# KiCad board FrontEnd_5G.kicad_pcb (continued)
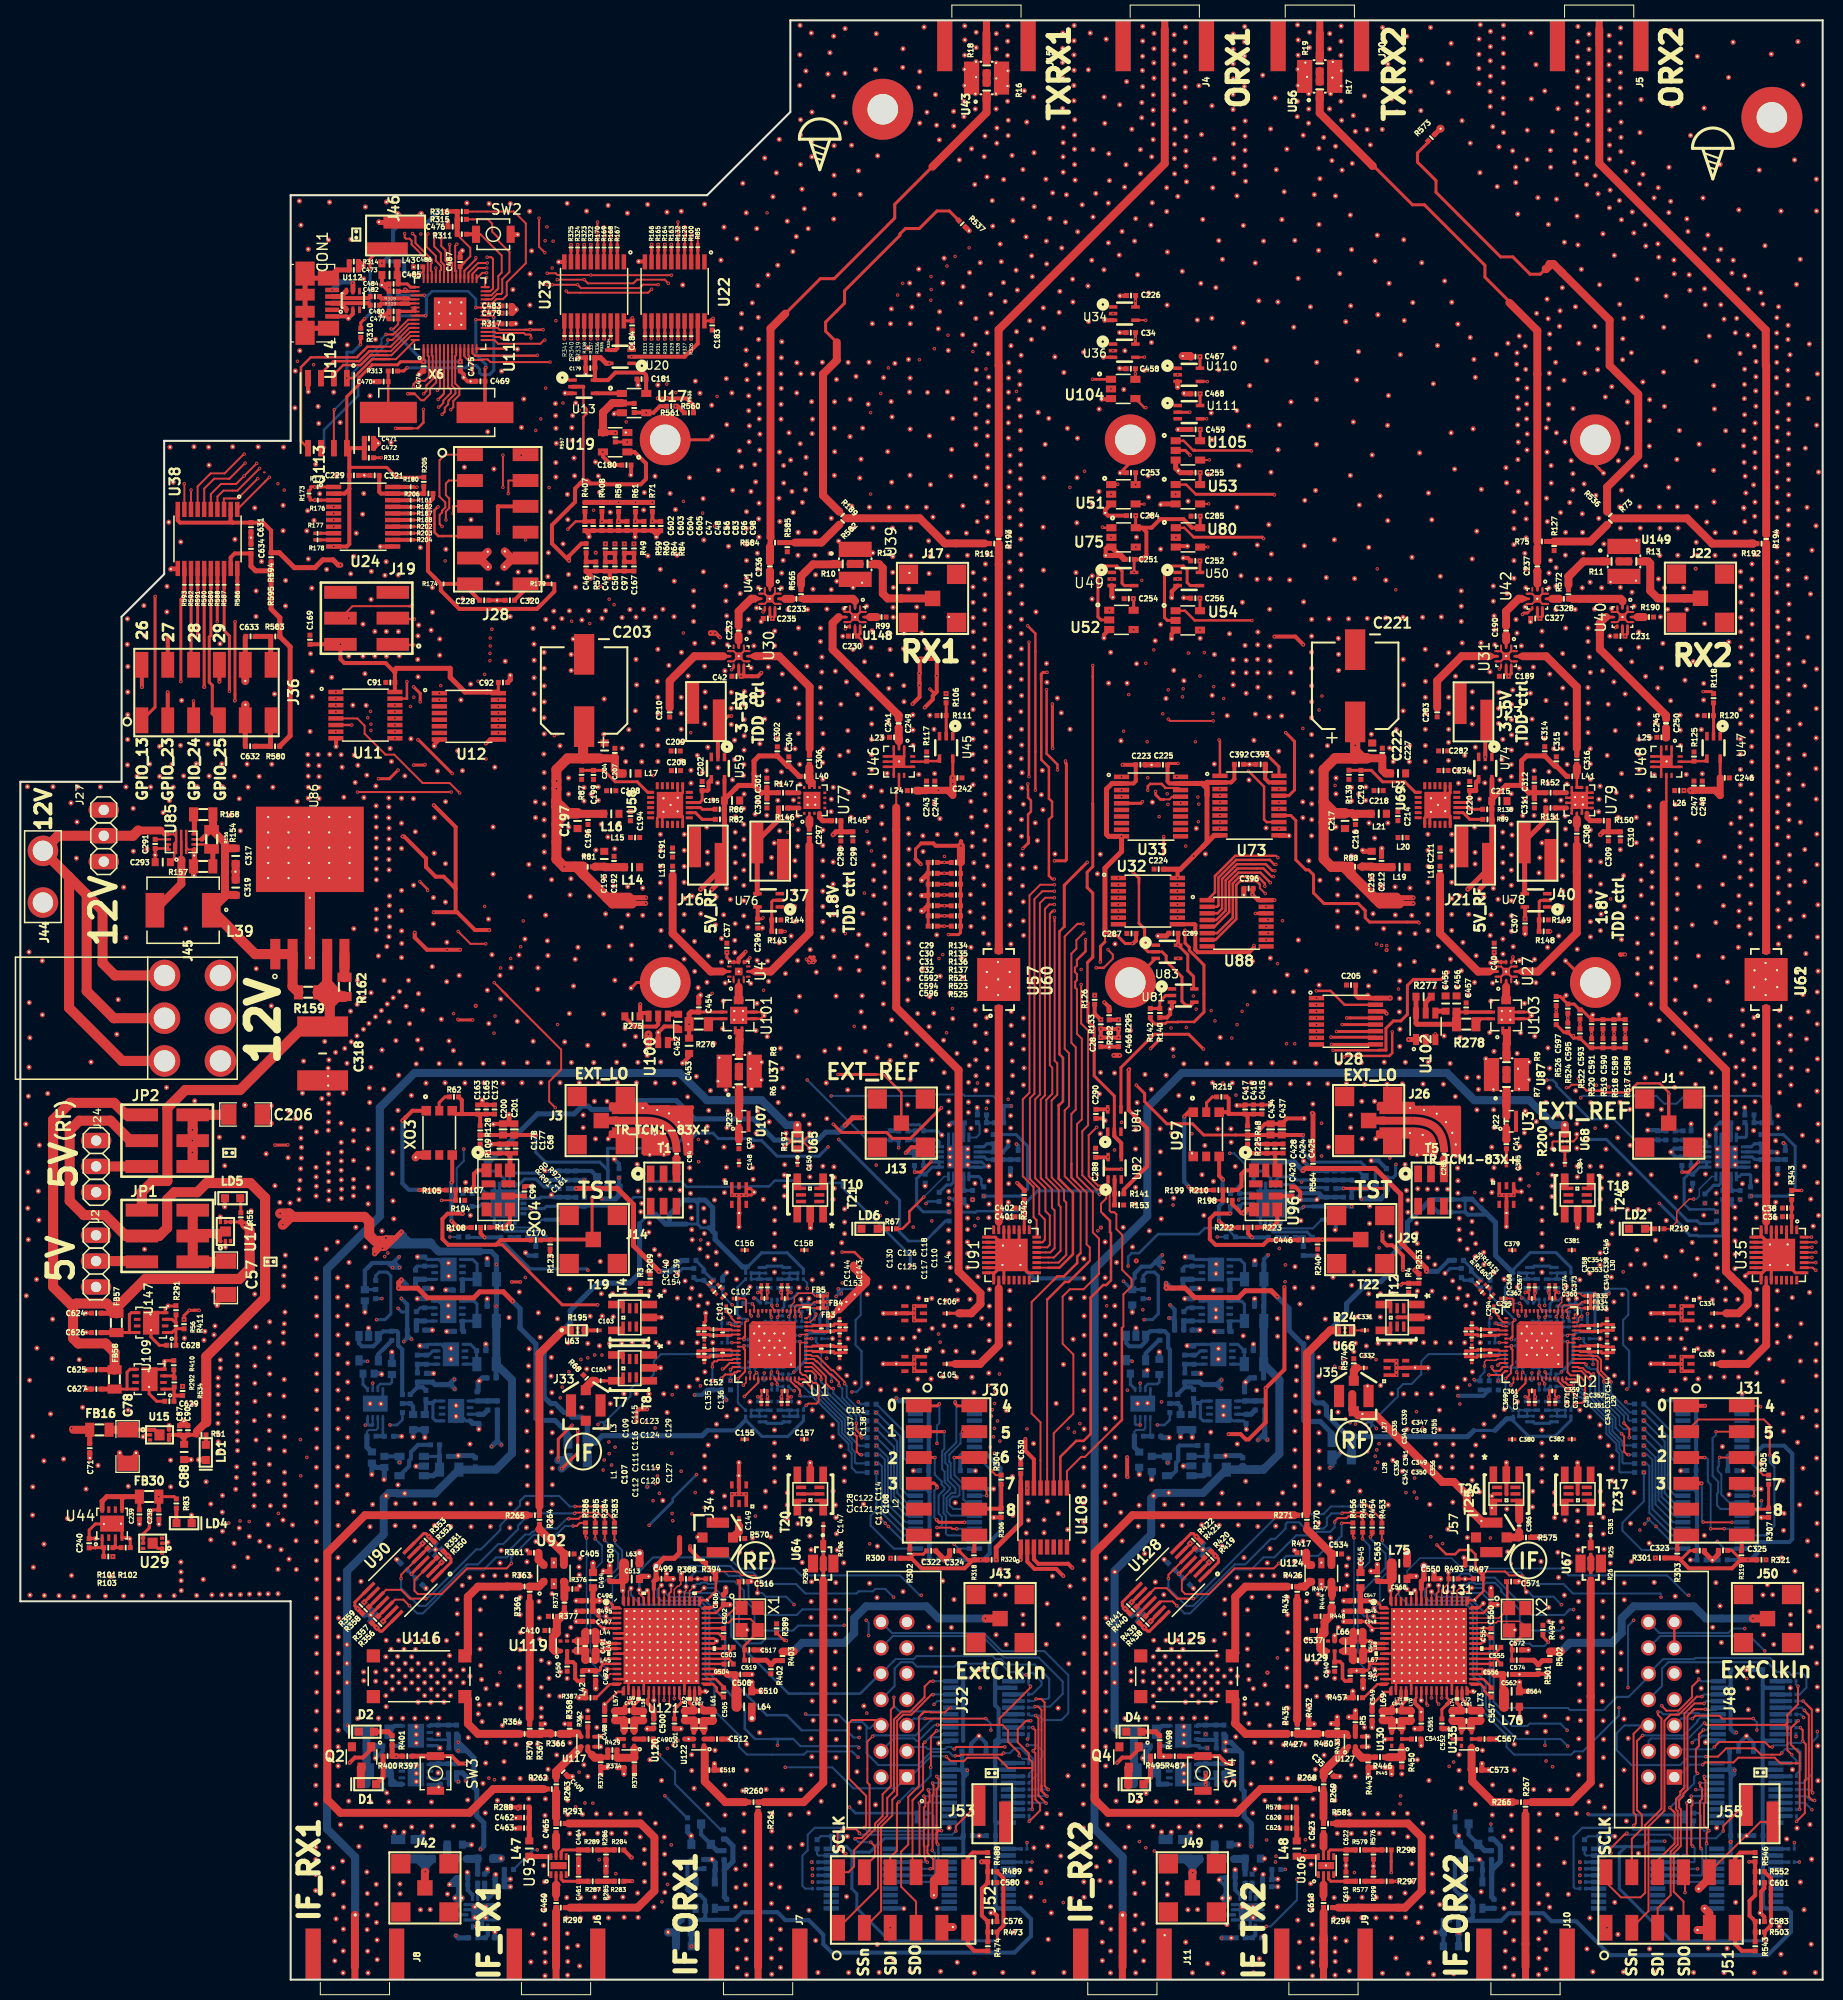
[diagram p0: board, top side]
## Routing (per net, layer and track width the routed paths; a pad name or vN(x,y) marks a point on that pad's centre or on a via; arc(x,y) is an arc through that point) (continued)
/SC1905_2/WDTEN_EXT: length 24.2
  F.RO w0.2: v2(159.47,24.01) 158.92,23.46 158.92,16.67 159.4,16.19 159.4,14.83 158.41,13.84 J51.8 158.41,12.01 ; 158.4,12.01 158.41,12.01 ; 158.4,12.01 158.41,12.01 ; 158.4,12.01 158.41,12.01
  B2.RO w0.2: v2(159.47,24.01) 159.47,24 163.52,24 164.86,25.35 164.86,25.49 165.14,25.77 165.79,25.77 166.13,25.43 U136.14
DATA_OUT_EN: length 237.3
  F.RO w0.2: 104.97,70.49 105.13,70.65 105.13,71.96 104.81,72.28 104.81,77.36 103.71,78.46 ; U108.12 100.94,66.86 ; 103.71,78.46 103.32,78.85 103.32,80.2 103.32,80.17 ; 103.71,78.46 103.71,78.45 103.32,78.84 103.32,80.17 ; 103.32,80.17 103.32,85.09 103.75,85.52 103.75,91.65 103.32,92.08 103.32,100.84 103.81,101.33 103.81,102.17 v1(104.56,102.92) ; U115.7 42.04,156.54 42.33,156.25 42.33,155.96 41.58,155.21 41.58,154.96 41.18,154.56 v1(41.11,154.56)
  F.RO w0.25: 100.94,66.86 100.96,66.86 102.68,68.58 103.06,68.58 104.97,70.49
  F.RO w0.3: 122.74,103.49 122.47,103.49 v1(122.46,103.5) ; v1(129.94,93.88) 129.94,93.88 U28.12 ; v1(113.75,105.69) 113.75,105.69 113.74,105.69
  F.FR4 w0.2: 105.88,102.89 105.85,102.92 v1(104.56,102.92) ; 105.88,102.89 108.67,102.89 110.23,104.45 110.7,104.45 111.94,105.69 v1(113.75,105.69) ; 105.88,102.89 104.58,102.89 ; v1(122.46,103.5) 122.75,103.5 123.74,102.51 124.22,102.51 125.63,101.1 126.33,101.1 126.62,100.81 127.98,100.81 129.94,98.85 129.94,94.85 129.79,94.7 129.79,94.03 129.92,93.9 ; v1(129.94,93.88) 129.94,93.9
  F.FR4 w0.25: v1(46.99,123.84) 43.66,123.84 43.54,123.97 v1(36.82,123.97) 35.45,123.97 35.45,123.96 34.22,123.96 v1(34.15,124.03) ; v1(113.75,105.69) 115.08,105.69 117.28,103.49 122.44,103.49 v1(122.46,103.5) ; 129.92,93.9 129.94,93.9
  F.FR4 w0.3: 104.58,102.89 101.48,102.89 99.89,101.3 97.85,101.3 97.69,101.14 94.61,101.14 94.06,100.59 93.39,100.59 92.63,101.35 88.74,101.35 87.47,102.62 86.97,102.62 86.22,103.37 84.03,103.37 82.76,102.1 80.85,102.1 80.51,101.76 78.32,101.76 78.32,101.77 78.14,101.95 77.28,101.95 76.84,101.51 75.45,101.51 75.22,101.28 74.04,101.28 73.74,101.58 67.31,101.58 67.03,101.3 65.92,101.3 65.13,102.09 60.9,102.09 60.79,102.2 54.41,102.2 53.51,101.3 50.73,101.3 50.5,101.53 v1(49.18,101.53)
  B.FR4 w0.2: 36.65,147.92 37.98,149.25 37.98,150.77 40.77,153.56 40.77,154.22 v1(41.11,154.56) ; 35.04,125.79 35.07,125.76
  B.FR4 w0.25: 36.65,147.92 36.65,142.68 ; v1(122.46,103.5) 122.46,103.5 ; v1(34.15,124.03) 34.67,124.03 35.05,124.41 35.05,125.78 ; 35.04,125.79 35.04,128.83 35.41,129.2 35.41,133.8 35.57,133.96 35.57,136.29 35.22,136.64 35.22,139.51
  B.FR4 w0.3: 36.82,123.97 v1(36.82,123.97) ; 46.98,123.85 46.99,123.84 46.99,123.84 v1(46.99,123.84) 48.26,123.84 48.52,123.59 48.52,101.98 48.97,101.53 v1(49.18,101.53) ; 35.22,139.51 34.73,140 34.73,141.25 36.16,142.68 36.65,142.68
DATA_OUT_RSTn: length 264.7
  F.RO w0.2: 100.28,48.32 100.28,54.78 99.41,55.65 99.41,66.6 101.54,68.73 ; 41.65,155.88 v1(41.07,155.31) 41.65,155.88 ; 41.65,155.88 U115.6 ; 103.9,103.77 v1(104.46,103.77) 103.9,103.77 ; 103.9,103.77 102.66,102.53 102.66,91.49 103.09,91.06 103.09,85.86 102.66,85.43 102.66,78.97 104.23,77.4 104.23,71.42
  F.RO w0.25: v1(51.97,146.65) 51.98,146.66 ; 130.39,94.53 v1(130.38,94.53) ; 104.23,71.42 103.89,71.08 103.89,70.44 102.57,69.12 101.93,69.12 101.54,68.73
  F.RO w0.3: v1(122.66,104.18) 122.49,104.18 U88.13 ; v1(113.76,106.33) 113.75,106.34 U32.13 ; 130.39,94.53 U28.13
  F.FR4 w0.2: 109.29,104.38 111.24,106.33 v1(113.76,106.33) ; 97.85,102.32 97.79,102.38 94.99,102.38 94.74,102.13 94.22,102.13 ; v1(130.38,94.53) 130.5,94.65 130.5,99.13 128.28,101.35 126.95,101.35 126.58,101.72 126.58,102.09 125.37,103.3 123.6,103.3 122.72,104.18 v1(122.66,104.18)
  F.FR4 w0.25: v1(113.76,106.33) 115.46,106.33 117.61,104.18 v1(122.66,104.18) ; v1(46.99,124.5) 37.79,124.5 37.68,124.62 v1(36.82,124.62) 34.46,124.62 v1(34.42,124.66) ; 67.35,104.03 59.59,104.03 59.56,104.06 58.56,104.06 58.28,103.78 54.22,103.78
  F.FR4 w0.3: 54.22,103.78 49.72,103.78 v1(49.44,104.06) ; 97.85,102.32 98.16,102.01 99.04,102.01 99.8,102.77 100.69,102.77 101.69,103.77 v1(104.46,103.77) 108.69,103.77 109.29,104.37 109.29,104.38 ; v1(41.07,155.31) 41.48,155.72 42.15,155.72 42.86,156.43 ; 94.22,102.13 89.14,102.13 88.51,102.76 88.51,103.46 88.45,103.46 87.52,104.39 85.99,104.39 85.39,104.99 83.8,104.99 82.26,103.45 80.67,103.45 80.36,103.76 79.55,103.76 79.17,103.38 76.84,103.38 76.84,103.36 75.95,103.36 75.75,103.56 74.23,103.56 73.47,102.8 71.25,102.8 70.95,103.09 70.16,103.09 69.18,104.07 68.85,104.07 68.7,104.22 68.1,104.22 68.08,104.24 67.56,104.24 67.35,104.03
  F.FR4 w0.4: v1(51.64,156.43) 42.86,156.43 ; v1(57.51,141.12) 54.33,141.12 52.87,142.58 52.87,145.76 v1(51.97,146.65)
  B.FR4 w0.2: v1(41.07,155.31) 40.24,154.48 40.24,153.64 37.61,151.01 37.61,149.83
  B.FR4 w0.25: 37.61,149.83 36.05,148.27 36.05,144.19 ; v1(34.42,124.66) 34.61,124.85 34.61,125.53 34.46,125.68 34.46,128.93 34.45,128.93 34.3,129.08 34.3,133.68 33.75,134.23 33.78,134.23
  B.FR4 w0.3: 36.82,124.62 v1(36.82,124.62) ; 46.98,124.49 46.99,124.49 v1(46.99,124.5) 48.43,124.5 49.3,123.62 49.3,110.8 49.1,110.6 49.1,108.24 49.44,107.9 v1(49.44,104.06) ; 33.78,134.23 33.78,141.92 36.05,144.19
  B.FR4 w0.4: v1(51.97,146.65) 51.97,146.66 51.97,156.1 v1(51.64,156.43)
DATA_SER_CLK: length 242.1
  F.RO w0.2: 103.86,100.23 103.86,99.66 103.66,99.46 103.66,99.04 103.86,98.84 103.86,98.24 103.7,98.08 103.7,97.5 103.86,97.34 103.86,96.35 103.87,96.34 103.87,92.96 104.35,92.48 104.35,84.56 103.87,84.08 103.87,78.94 105.43,77.38 105.43,73.44 106.03,72.84 106.03,69.37 104.52,67.86 103.17,67.86 102.46,67.15 102.46,62.5 103.51,61.45 103.51,55.63 103.14,55.26 103.13,55.26 101.59,53.72 U108.11 ; v1(41.46,153.85) 41.72,154.11 41.72,154.5 42.06,154.84 42.06,155.14 42.13,155.21 42.13,155.26 42.77,155.9 42.77,156.35 42.45,156.68 U115.8
  F.RO w0.25: 103.86,100.23 104.71,101.08 v1(104.71,102.23)
  F.RO w0.3: v1(122.67,102.86) 122.47,102.86 U88.11 ; v1(129.38,93.19) 133.18,93.19 U28.11 ; v1(113.76,105.04) 113.75,105.03 U32.11
  F.FR4 w0.2: 112.61,105.04 v1(113.76,105.04) ; v1(122.67,102.86) 123.91,101.62 124.37,101.62 125.67,100.32 127.57,100.32 129.38,98.51 v1(129.38,93.19)
  F.FR4 w0.25: v1(46.99,123.2) 43.51,123.2 43.38,123.31 38.17,123.31 ; 38.17,123.31 38.17,123.32 34.54,123.32 v1(34.46,123.4) 34.54,123.31 v1(36.82,123.31) 38.17,123.31 ; v1(113.76,105.04) 114.79,105.04 116.97,102.86 v1(122.67,102.86) ; 112.61,105.04 111.08,103.51 109.97,103.51 108.88,102.42 106.09,102.42 105.9,102.23 v1(104.71,102.23)
  F.FR4 w0.3: 85.59,98.7 83.92,98.7 83.41,98.19 78.71,98.19 78.7,98.18 77.36,98.18 75.73,99.81 74.75,99.81 74.29,99.35 71.52,99.35 70.83,100.04 70.07,100.04 69.31,99.28 68.63,99.28 68.13,99.78 67.07,99.78 66.89,99.96 66.45,99.96 65.44,100.97 59.17,100.97 58.53,100.33 55.58,100.33 53.48,98.23 50.52,98.23 48.38,100.37 v1(48.2,100.37) ; 85.59,98.7 86.2,98.7 ; 85.59,98.7 86.14,98.7 86.73,99.29 87.5,99.29 88.15,98.64 ; 88.15,98.64 88.14,98.65 ; 88.15,98.64 89.06,98.64 89.91,99.49 94.2,99.49 94.63,99.92 95.11,99.92 95.78,99.25 96.45,99.25 97.13,99.93 100.05,99.93 102.35,102.23 v1(104.71,102.23)
  B.FR4 w0.2: 38.39,148.51 38.39,150.62 41.26,153.49 41.26,153.65 v1(41.46,153.85)
  B.FR4 w0.25: 38.39,148.51 37.14,147.26 37.14,139.29 36.51,138.66 36.51,137.56 36.61,137.46 36.61,137.15 ; v1(34.46,123.4) 34.59,123.4 35.65,124.46 35.65,128.28 ; 36.61,131.01 36.6,131.01 36.54,131.07 36.54,133.87 36.61,133.94
  B.FR4 w0.3: 36.82,123.32 v1(36.82,123.31) ; 46.98,123.19 46.99,123.19 v1(46.99,123.2) 47.55,123.2 47.75,123 47.75,100.82 v1(48.2,100.37) ; 35.65,128.28 36.61,129.24 36.61,131.01 ; 36.61,137.15 36.61,133.94
DATA_SER_RSTn: length 286.8
  F.RO w0.2: v1(42.31,154.31) 42.56,154.56 42.56,155.16 43.16,155.76 43.16,156.47 42.75,156.88 42.75,159.58 42.85,159.68 U115.9 ; v1(104.28,97.81) 104.28,93.98 104.96,93.3 104.96,83.97 104.39,83.4 104.39,79.07 105.8,77.66 106.24,77.66 106.34,77.56 106.61,77.56 106.74,77.43 106.74,76.78 106.23,76.27 106.23,75.47 106.43,75.27 ; 106.5,99.46 107.39,100.35 107.39,100.76 v1(106.92,101.23)
  F.RO w0.25: 106.43,75.27 107.11,74.59 107.11,73.48 107.21,73.38 107.21,68.74 106.74,68.27 106.44,68.27 105.2,67.03 105.2,53.63 104.53,52.96 103.8,52.96 102.24,51.4 U108.10 ; v1(105.75,99.45) 105.75,99.46 106.5,99.46
  F.RO w0.3: 122.69,102.21 122.47,102.21 v1(122.46,102.21) ; v1(128.83,92.63) 133.16,92.63 U28.10 ; v1(113.76,104.38) 113.75,104.39 U32.10
  F.FR4 w0.2: 121.7,102.21 121.7,102.21 121.82,102.21 121.83,102.21 v1(122.46,102.21) ; 122.53,102.21 123.9,100.83 124.29,100.83 125.33,99.79 127.2,99.79 128.83,98.16 v1(128.83,92.63) ; v1(106.92,101.23) 104.81,101.23
  F.FR4 w0.25: v1(46.99,122.55) 43.4,122.55 43.27,122.67 39.42,122.67 ; 37.92,122.67 37.92,122.66 34.59,122.66 v1(34.46,122.79) 34.59,122.67 39.42,122.67 ; 37.92,122.67 39.42,122.67 ; 37.92,122.67 v1(36.82,122.67) ; v1(113.76,104.38) 114.51,104.38 116.68,102.21 117.16,102.21 ; 117.16,102.21 120.99,102.21 ; 117.16,102.21 116.19,101.24 114.99,101.24 114.72,100.97 112.56,100.97 112.29,101.24 104.8,101.24 ; 104.8,101.24 104.5,101.54 104.48,101.52 ; 104.8,101.24 104.81,101.23 ; 121.83,102.21 120.99,102.21 ; 120.99,102.21 121,102.21 v1(122.46,102.21) 122.53,102.21 ; v1(42.31,154.31) 54.89,154.31 v1(54.94,154.26) ; 105.64,97.81 105.71,97.88 105.73,97.88 ; 105.64,97.81 105.75,97.92 v1(105.75,99.45) ; 105.64,97.81 v1(104.28,97.81) ; v1(47.21,99.44) 47.35,99.44 50.15,96.64
  F.FR4 w0.3: 104.48,101.52 103.16,101.52 99.8,98.16 97,98.16 96.44,97.6 95.92,97.6 95.12,96.8 94.42,96.8 93.83,97.39 92.26,97.39 92.02,97.63 90.51,97.63 90.1,97.22 86,97.22 85.56,96.78 83.94,96.78 83.33,97.39 79.79,97.39 79.21,96.81 77.48,96.81 76.93,97.36 75.25,97.36 73.82,98.79 71.54,98.79 71.54,98.78 71.07,98.31 69.91,98.31 69.56,98.66 68.84,98.66 68.32,98.14 68.32,97.87 68.02,97.57 67.87,97.57 67.44,97.14 67.44,95.84 66.62,95.02 60.51,95.02 58.89,96.64 50.15,96.64 ; 121.83,102.21 121.83,102.21 121.7,102.21 v1(122.46,102.21)
  F.FR4 w0.4: v1(59.37,141.12) 59.37,141.57 58.81,142.13 56.95,142.13 56.05,143.03 56.05,143.84 56.35,144.14 v1(56.35,144.43)
  B.FR4 w0.2: 38.93,148.2 38.93,150.34 42.31,153.72 v1(42.31,154.31)
  B.FR4 w0.25: v1(34.46,122.79) 35.18,122.79 36.27,123.88 36.27,127.96 37.84,129.53 37.84,130.46 37.32,130.98 37.32,131.66 37.73,132.07 37.73,132.96 37.71,132.96 37.37,133.3 37.37,134.36 37.38,134.37 37.38,134.35 37.2,134.53 37.2,135.81 37.73,136.34 37.73,147 38.93,148.2 ; v1(122.46,102.21) 122.46,102.21 v1(122.46,102.21)
  B.FR4 w0.3: v1(47.21,99.44) 46.99,99.66 46.99,108.02 47.17,108.2 47.17,109.14 46.99,109.32 46.99,112.76 47.02,112.76 47.11,112.85 47.11,113.72 46.99,113.84 46.99,118.2 47.28,118.49 47.28,120.06 46.99,120.35 v1(46.99,122.55) 46.99,122.54 46.98,122.54 ; 36.82,122.67 v1(36.82,122.67) ; v1(122.46,102.21) 122.46,102.21 ; v1(56.35,144.43) 56.35,145.05 55.09,146.31 55.09,153.3 54.94,153.45 v1(54.94,154.26)
EXT_PLL_SSENn: length 287.8
  F.RO w0.3: v2(165.6,76.32) 165.61,76.32
  F.RO w0.4: C98.1 v1(62.13,143.33) R71.1
  F.FR4 w0.25: 105.09,75.43 104.42,74.76 97.88,74.76 97.39,74.27 94.71,74.27 ; 121.16,75.47 124.56,75.47 124.73,75.3 125.56,75.3 ; 115.59,75.7 117.7,75.7 118.43,74.98 ; 140.28,76.19 140.28,76.18 140.07,75.97 135.73,75.97 135.34,75.59 ; 88.36,74.69 88.27,74.69 88.03,74.93 88.03,75.24 89.03,76.24 v2(89.03,76.28) ; v1(31.02,125.27) 31.09,125.33 30.63,125.33 30.09,125.87 30.09,126.93 30.34,127.18 34.42,127.18 35.89,128.65 39.87,128.65 v1(41.33,127.19) ; 135.23,75.47 127.45,75.47 127.28,75.3 126.5,75.3
  F.FR4 w0.3: v1(46.19,131.09) 46.21,131.07 47.63,131.07 47.68,131.12 48.6,131.12 49.5,132.02 50.52,132.02 51.17,132.67 51.17,133.18 50.95,133.4 50.95,133.95 52.15,135.15 v1(58.37,135.15) ; 135.23,75.47 135.34,75.59 ; v2(142.97,77.37) 142.27,76.67 140.76,76.67 140.28,76.19 ; 121.16,75.47 121.14,75.47 120.44,74.77 118.63,74.77 118.43,74.98 ; 115.59,75.7 113.99,74.1 111.73,74.1 111.72,74.09 110.38,75.43 105.09,75.43 ; 125.56,75.3 126.5,75.3 ; 88.36,74.69 88.61,74.44 88.61,73.99 88.82,73.78 89.95,73.78 90.67,73.06 93.71,73.06 94.54,73.89 94.54,74.1 94.71,74.27
  F.FR4 w0.4: 89.72,137.65 93.9,137.65 94.66,136.89 97.34,136.89 98.15,137.7 98.15,137.76 101.05,137.76 102.34,136.47 104.12,136.47 104.56,136.91 108.04,136.91 108.48,136.47 135.07,136.47 v1(135.21,136.61) ; 89.72,137.65 89.58,137.65 ; 89.72,137.65 89.61,137.54 83.97,137.54 82.29,135.86 77.64,135.86 75.96,137.54 72.29,137.54 71.73,136.98 70.67,136.98 64.32,143.33 v1(62.13,143.33)
  B.FR4 w0.25: 31.02,125.26 v1(31.02,125.27)
  B.FR4 w0.3: v1(62.13,143.33) 61.74,142.94 ; 61.74,138.52 v1(58.37,135.15) ; v1(46.19,131.09) 45.23,131.09 v1(41.33,127.19) ; v2(165.6,76.32) 165.03,75.75 164.21,75.75 163.42,76.54 163.42,77.94 160.65,80.71 149.65,80.71 149.6,80.66 143.99,80.66 142.97,79.64 v2(142.97,77.37)
  B.FR4 w0.4: 61.74,142.94 61.74,141.55 62.5,140.79 62.5,139.28 61.74,138.52 ; 141.83,97.19 140.65,96.01 140.65,91.44 139.01,89.8 139.01,87.17 139.57,86.61 139.87,86.61 142.97,83.51 v2(142.97,77.37) ; 141.83,97.19 141.91,97.27 ; 141.83,97.19 141.83,98.21 143.99,100.37 143.99,100.93 143.45,101.47 143.45,105.16 142.85,105.76 142.85,108.49 ; 142.85,108.49 142.78,108.56 ; 142.85,108.49 141.81,109.53 141.81,115.13 142.49,115.81 142.49,115.8 142.49,116.84 142.8,117.15 142.8,117.98 143.23,118.41 143.23,120.03 141.68,121.58 141.68,126.14 140.87,126.95 140.24,126.95 135.56,131.63 135.56,131.64 135.21,131.99 v1(135.21,136.61)
  B2.RO w0.25: v2(89.03,76.28) 89.24,76.49 R78.2
g_TX\rx_1: length 179.8
  F.RO w0.2: v1(44.78,169.25) 44.78,169.09 43.65,167.96 U115.32
  F.RO w0.25: R173.2 28.54,146.52 28.54,146.74
  F.RO w0.3: 28.54,146.74 28.93,146.74 v1(28.96,146.72) ; v1(105.61,96.74) R126.2 ; R173.2 28.54,146.52
  F.FR4 w0.25: 97.35,146.03 98,146.68 98.01,146.67 v1(103.17,146.67)
  F.FR4 w0.3: 49.9,151.57 40.01,151.57 35.16,146.72 v1(28.96,146.72) ; 91.57,146.03 91.67,146.03 ; 91.67,146.03 97.35,146.03 ; 91.67,146.03 84.25,146.03 ; 84.25,146.03 83.9,146.03 ; 84.25,146.03 84.24,146.02 v1(83.58,146.02)
  F.FR4 w0.4: 49.9,151.57 49.9,151.56 49.91,151.57 50.5,151.57 52.05,150.02 52.71,150.02 54.25,148.48 57.76,148.48 58.62,149.34 60.32,149.34 61.18,148.48 66.35,148.48 70.94,153.07 70.94,153.09 71.25,153.4 71.67,153.4 72.3,154.03 83.57,154.03
  B.FR4 w0.2: 103.71,123.57 103.71,121.96 104.84,120.83 ; 103.71,123.57 103.71,123.6 ; 103.71,123.57 103.59,123.69 103.59,130.95 103.48,131.06 103.48,137.21 103.17,137.52 103.17,145.88 ; 103.17,145.88 v1(103.17,146.67) 103.17,145.88
  B.FR4 w0.25: 104.84,120.83 104.84,116.17 104.76,116.09 104.76,111.12 105.85,110.03 105.85,109.54 105.14,108.83 105.14,108.18 106.16,107.16 106.16,101.12 105.69,100.65 105.69,100.47 105.25,100.03 105.25,99.05 105.61,98.69 v1(105.61,96.74)
  B.FR4 w0.3: v1(28.96,146.72) 28.96,147.18 31.47,149.69 31.47,151.24 33.91,153.68 34.79,153.68 36.51,155.4 36.51,158.25 37.38,159.12 37.67,159.12 38.74,160.19 44.03,160.19 45.73,161.89 45.73,166.49 44.78,167.44 v1(44.78,169.25) ; v1(83.58,146.02) v1(83.58,154.03)
g_TX\rx_2: length 184.7
  F.RO w0.2: U115.34 42.85,167.95 42.75,167.95 42.75,170.42 v1(42.91,170.58)
  F.RO w0.25: 28.37,145.8 28.48,145.69 28.48,145.42 v1(28.96,145.42)
  F.RO w0.3: 28.48,145.42 28.48,145.69 28.37,145.8
  F.RO w0.4: 107.05,95.24 R282.2 ; 107.03,95.59 v1(106.55,96.07)
  F.RO w0.5: R282.2 107.03,95.59
  F.FR4 w0.25: 90.32,148.91 93.39,148.91 93.65,149.17 97.14,149.17 98.05,148.26 98.98,148.26 100.09,149.37 103.5,149.37 v1(104.61,148.26)
  F.FR4 w0.3: 50.02,150.72 40.93,150.72 35.63,145.42 v1(28.96,145.42) ; 68.48,146.87 69.49,147.88 ; 92.77,148.91 92.77,148.9 89.78,148.9 89.65,148.77 85.13,148.77
  F.FR4 w0.4: 85.13,148.77 75.94,148.77 75.05,147.88 69.49,147.88 68.48,146.87 54.56,146.87 53.02,148.41 52.33,148.41 50.02,150.72
  B.FR4 w0.25: 106.76,99.93 108.55,101.72 108.55,102.05 107.06,103.54 107.06,110.71 105.23,112.54 105.23,121.78 104.36,122.65 104.36,124.1 104.2,124.26 104.2,137.1 104.34,137.25 104.34,139.1 104.63,139.38 104.63,142.67 104.61,142.69 v1(104.61,148.26)
  B.FR4 w0.3: v1(28.96,145.42) 28.37,146.02 28.37,147.4 30.88,149.91 30.88,151.39 34.02,154.53 34.92,154.53 35.54,155.15 35.54,158.59 37.79,160.84 43.19,160.84 44.16,161.81 44.16,170.35 43.71,170.8 43.14,170.8 42.91,170.57 v1(42.91,170.58) ; 106.18,97.2 106.18,98.72 106.47,99.01 106.47,99.38 106.76,99.67 106.76,99.93
  B.FR4 w0.4: 106.18,97.2 106.5,96.88 ; 106.5,96.88 106.5,96.07 ; 106.5,96.88 106.5,96.12 v1(106.55,96.07) ; 106.5,96.07 v1(106.55,96.07) ; 106.5,96.07 v1(106.55,96.07) ; 106.5,96.07 v1(106.55,96.07)
GPIO0_#1: length 163.2
  F.FR4 w0.2: 84.58,155.9 77.6,155.9 76.99,155.29 75.74,155.29 75.5,155.53 72.6,155.53 71.57,156.56 66.48,156.56 66.24,156.32 65.99,156.32 64.47,157.84 62.44,157.84 62.32,157.96 62.31,157.96 61.4,158.87 v1(61.4,161.27) ; v2(84.15,49.86) 84.5,49.86 89.48,54.84 95.98,54.84 v2(96.06,54.92)
  B.FR4 w0.2: 94.17,55.25 94.65,54.77 95.91,54.77 v2(96.06,54.92)
  B.FR4 w0.25: 91.55,67.07 91.55,66.25 91.36,66.06 91.36,58.06 94.17,55.25 ; 91.55,67.07 91.55,67.11 ; 91.55,67.07 91.55,67.64 91.55,67.58 90.79,68.34 90.79,68.81 ; 85.64,78.28 85.64,76.49 86,76.13 86,73.01 87.16,71.85 88.18,71.85 89.05,70.98 ; 83.77,85.32 83.77,90.14 83.52,90.39 83.52,90.83 83.77,91.08 83.77,100.43 84.06,100.72 84.06,102.73 83.77,103.02 83.77,104.94 84.43,105.6 84.43,110.03 84.14,110.32 84.14,115.91 82.67,117.38 82.67,120.54 82.66,120.55 82.66,125.65 85.07,128.06 85.07,129.33 84.81,129.59 84.81,133.49 84.4,133.9 84.4,135.52 84.43,135.55 84.43,144.49 84.58,144.64 v1(84.58,155.91)
  B.FR4 w0.3: 61.4,161.26 v1(61.4,161.27) ; 83.77,85.32 83.79,85.32 83.79,81.24 85.64,79.39 85.64,78.28 ; 89.05,70.98 89.05,70.55 90.79,68.81
  B2.RO w0.2: U25.1 87.93,42.38 87.92,42.37 85.86,42.37 83.58,44.65 83.58,45.59 84.15,46.16 v2(84.15,49.86)
GPIO0_#2: length 271.5
  F.FR4 w0.2: 85.12,167.96 83.38,169.7 82.2,169.7 78.54,173.36 74.71,173.36 67.01,165.66 54.32,165.66 53.48,164.82 v1(53.48,161.29) ; v2(95.76,51.74) 95.76,51.72 94.46,50.42 94.46,45.33 95.27,44.52 101.59,44.52 102.38,43.73 106.42,43.73 109.15,41 111.12,41 112.02,41.9 112.86,41.9 116.67,38.09 120.3,38.09 120.61,38.4 121.81,38.4 122.64,39.23 122.64,40.05 123.23,40.64 123.23,41.1 126.18,44.05 129.46,44.05 129.57,43.94 130.36,43.94 130.67,44.25 130.67,44.46 131.09,44.88 141,44.88 141.87,44.01 152.48,44.01 152.64,44.17 155.1,44.17 155.33,44.39 155.33,44.37 155.34,44.38 155.73,44.38 157.76,46.41 157.76,48.03 v2(159.59,49.86)
  F.FR4 w0.3: 85.12,167.96 85.12,167.97 85.69,167.4 v1(89.52,167.4)
  B.FR4 w0.2: 102.26,103.87 101.89,103.5 101.89,93.55 102.82,92.62 102.82,85.94 102.5,85.62 102.5,68.15 101.47,67.12 101.47,57.63 98.02,54.18 98.02,53.93 95.83,51.74 v2(95.76,51.74) ; 102.26,104.59 102.26,111.63
  B.FR4 w0.25: 100.02,139.43 99.75,139.16 ; 101.94,118.04 101.96,118.04 101.17,118.83 101.17,119.59 100.8,119.96 100.43,119.96 100.11,120.28 100.11,120.64
  B.FR4 w0.3: v1(53.48,161.29) 53.48,161.28 ; 102.26,103.87 102.26,104.59 ; 102.26,111.63 101.94,111.95 101.94,118.04 ; 99.75,139.16 99.75,138.1 100.02,137.83 100.02,135.55 100.63,134.94 100.63,134.45 100.64,134.44 100.64,130.19 100.11,129.66 100.11,120.64 ; 100.02,139.43 100.02,142.1 99.77,142.35 99.77,143.18 100.02,143.43 100.02,153.19 101.12,154.29 101.12,160.45 99.17,162.4 98.36,162.4 96.24,164.52 95.46,164.52 92.58,167.4 v1(89.52,167.4)
  B2.RO w0.2: U71.1 160.93,42.37 160.79,42.23 159.39,42.23 157.49,44.13 157.49,44.91 159.59,47.01 v2(159.59,49.86)
GPIO1_#1: length 171.1
  F.FR4 w0.2: v2(95.46,55.4) 94.57,55.4 94.53,55.44 93,55.44 92.81,55.25 89.27,55.25 84.76,50.74 v2(84.15,50.74) ; v1(97.92,156.11) 97.92,155.79 97.4,155.27 96.1,155.27 95.84,155.53 95.04,155.53 94.28,156.29 93.75,156.29 93.36,156.68 77.83,156.68 77.41,157.1 72.56,157.1 71.79,157.87 67.23,157.87 66.8,158.3 62.76,158.3 62.05,159.01 v1(62.05,161.27)
  B.FR4 w0.2: 99.61,60.62 99.61,58.66 97.52,56.57 96.73,56.57 96.18,56.02 96.18,55.78 95.83,55.43 95.83,55.4 v2(95.46,55.4) ; 99.61,60.62 99.61,60.7 ; 99.61,60.62 99.61,67.91 100.66,68.96 100.66,74.68 ; 100.66,74.68 100.66,74.74 ; 100.66,74.68 100.66,86.43 100.96,86.73 100.96,89.04 ; 100.96,89.85 99.28,91.53 99.28,111.19
  B.FR4 w0.25: 99.28,111.19 99.27,111.19 99.27,112.8 98.86,113.21 98.13,113.21 97.47,113.87 97.47,113.85
  B.FR4 w0.3: 62.05,161.26 v1(62.05,161.27) ; 97.47,113.85 96.84,113.85 96.56,114.13 96.56,139 96.5,139.06 96.5,144.74 96.34,144.9 96.34,145.66 95.7,146.3 95.7,154.34 96.61,155.25 97.23,155.25 97.92,155.94 v1(97.92,156.11) ; 100.96,89.04 100.96,89.85
  B2.RO w0.2: U25.3 86.91,43.67 84.69,45.89 84.69,50.48 84.43,50.74 v2(84.15,50.74)
GPIO1_#2: length 264.8
  F.FR4 w0.2: 155.68,44.75 157.29,46.36 157.29,48.36 159.59,50.66 v2(159.59,50.74) ; 155.68,44.75 155.65,44.73 ; 155.68,44.75 155.26,44.75 155,44.49 154.41,44.49 ; 154.41,44.49 154.38,44.49 ; 154.41,44.49 151.24,44.49 ; 151.24,44.49 149.71,44.49 ; 151.24,44.49 149.71,44.49 ; 149.71,44.49 142.19,44.49 141.45,45.23 131.02,45.23 130.33,44.55 130.33,44.37 130.2,44.24 129.72,44.24 129.52,44.44 128.34,44.44 128.25,44.35 126.92,44.35 126.83,44.44 125.96,44.44 125,43.48 124.41,43.48 123.57,42.64 123.57,42.32 122.97,41.72 122.35,41.72 121.39,40.76 119.62,40.76 118.08,39.22 116.89,39.22 113.43,42.68 113.13,42.68 113.13,42.69 112.18,42.69 110.83,41.34 109.34,41.34 106.64,44.04 104.33,44.04 103.39,44.99 101.94,44.99 101,45.92 98.61,45.92 96.77,47.76 96.77,47.75 96.4,48.12 96.4,52.04 96.4,52.02 95.98,52.44 95.45,52.44 v2(95.35,52.34) ; 80.56,168.06 76.33,172.29 74.63,172.29 67.54,165.2 54.88,165.2 54.13,164.45 v1(54.13,161.29)
  F.FR4 w0.25: 80.56,168.06 82.08,168.06 83.41,166.73 v1(86.73,166.73)
  B.FR4 w0.25: v1(86.73,166.73) 85.54,166.73 84.99,166.18 84.99,161.55 80.9,157.46 80.9,147.46 80.07,146.63 80.07,144.76 78.82,143.51 78.82,135.19 77.93,134.3 77.93,129.26 77.95,129.24 77.95,123.87 78.31,123.51 78.31,121.53 77.99,121.21 77.99,117.78 76.66,116.45 76.66,115.34 77.05,114.95 77.05,111.1 76.7,110.75 76.7,110.36 76.91,110.15 76.91,106.23 76.7,106.02 76.7,103.07 79.05,100.72 79.05,98.18 78.52,97.65 78.52,81.45 79,80.97 79.7,80.97 80.53,80.14 80.53,79.43 81.6,78.36 81.6,70.76 82.5,69.86 84.13,69.86 85.22,68.77 85.22,67.48 85.45,67.25 85.45,64.8 86.03,64.22 86.03,62.67 85.47,62.11 85.47,59.61 86.68,58.4 86.68,57.47 88.83,55.32 92.12,55.32 95.1,52.34
  B.FR4 w0.3: v1(54.13,161.29) 54.13,161.28 ; 95.1,52.34 v2(95.35,52.34)
  B2.RO w0.2: U71.3 162.37,43.67 160.13,45.9 160.13,50.48 159.87,50.74 v2(159.59,50.74)
GPIO2_#1: length 164.3
  F.FR4 w0.2: 84.96,158.4 72.18,158.4 71.97,158.19 70.64,158.19 70.3,158.53 68.25,158.53 68.03,158.75 63.28,158.75 62.7,159.33 v1(62.7,161.27) ; v2(84.15,51.6) 85.13,51.6 89.17,55.64 92.49,55.64 92.72,55.87 94.55,55.87 94.7,56.02 v2(95.54,56.02)
  F.FR4 w0.25: 84.96,158.4 84.98,158.42 v1(85.33,158.42)
  B.FR4 w0.2: 92.73,67.61 92.73,68.55
  B.FR4 w0.25: 92.73,67.61 92.73,65.71 92.58,65.56 92.58,59.95 92.78,59.75 92.78,57.59 94.35,56.02 v2(95.54,56.02) ; 92.73,68.55 93.75,69.57 93.75,70.22 93.29,70.68 90.49,70.68 88.73,72.44 87.5,72.44 86.65,73.29 86.65,76.7 86.5,76.85 86.5,77.89 ; 86.5,77.89 86.5,78.09 ; 86.5,77.89 86.5,78.61 ; v1(85.33,158.42) 86.6,157.15 86.6,133.48 86.17,133.05 86.17,129.18 86.52,128.83 86.52,127.99 86.17,127.64 86.17,126.6 84.25,124.68 84.25,120.49 88.02,116.72 88.02,98.18 87.18,97.34 87.18,97.31 84.91,95.04 84.91,94.05 85.2,93.76 85.2,92.44 84.89,92.13 84.89,86.16
  B.FR4 w0.3: 62.7,161.26 v1(62.7,161.27) ; 84.89,86.16 84.55,85.82 84.55,81.6 86.5,79.65 86.5,78.61
  B2.RO w0.2: U25.4 86.94,44.31 84.99,46.27 84.99,51.11 84.5,51.6 v2(84.15,51.6)
GPIO2_#2: length 255
  F.FR4 w0.2: 152.85,45.6 154.3,45.6 154.77,46.07 156.28,46.07 156.99,46.78 156.99,49 v2(159.59,51.6) ; 152.85,45.6 152.84,45.59 ; 152.85,45.6 152.36,45.6 151.93,46.03 150.67,46.03 149.43,44.79 147.77,44.79 ; 147.77,44.79 147.71,44.79 ; 147.77,44.79 144.39,44.79 144.2,44.98 144.2,45.37 143.9,45.67 141.27,45.67 141.13,45.53 130.48,45.53 130.28,45.33 129.68,45.33 129.39,45.62 129.12,45.62 128.94,45.44 126.46,45.44 126.32,45.3 124.65,45.3 124.2,44.85 124.2,44.5 123.48,43.78 121.19,43.78 119.73,42.31 ; 119.73,42.31 119.71,42.3 ; 119.73,42.31 117.94,40.53 117.22,40.53 117.05,40.36 116.58,40.36 113.64,43.3 109.07,43.3 106.86,45.51 103.88,45.51 103,46.4 100.56,46.4 99.33,47.63 98.39,47.63 96.88,49.15 96.88,52.35 v2(96.29,52.94) ; v1(54.78,161.29) 54.78,164.22 55.31,164.75 67.88,164.75 73.71,170.58 77.02,170.58 80.72,166.88 81.04,166.88 81.99,165.94 85.27,165.94 85.46,166.13 85.72,166.13 85.73,166.12 v1(89.53,166.12)
  B.FR4 w0.2: 101.12,110.09 101.12,92.81 102.2,91.73 102.2,86.19 101.88,85.87 101.88,68.42 100.84,67.38 100.84,58.09 97.37,54.62 97.37,53.94 96.37,52.94 v2(96.29,52.94) ; 99.37,119.21 99.38,119.2
  B.FR4 w0.25: 101.06,114.06 101.41,114.41 101.41,115.49 101.07,115.83 ; 99.37,119.21 99.37,119.23 99.76,118.84 99.76,118.46 101.07,117.15 101.07,117.07
  B.FR4 w0.3: v1(54.78,161.29) 54.78,161.28 ; 101.12,110.09 101.06,110.15 101.06,114.06 ; 101.07,115.83 101.07,117.07 ; v1(89.53,166.12) 90.75,166.12 91.03,165.84 92.38,165.84 92.37,165.84 95.75,162.46 96.62,162.46 99.99,159.09 99.99,154.88 99.06,153.95 99.06,133.98 99.68,133.36 99.68,130.94 99.08,130.34 99.08,119.5 99.38,119.2
  B2.RO w0.2: U71.4 162.39,44.31 160.44,46.27 160.44,51.09 159.93,51.6 v2(159.59,51.6) 159.75,51.6
